# Altium PCB openmv-ae3.PcbDoc (part 2 of 5)
Units mil, origin at the board's own origin, x right, y up, seen from the top; angles counter-clockwise.
Board outline 1400 x 1750 mil, 10 copper layers (Top, L2G, L3V, L4P, L5H, L6V, L7P, L8H, L9G, Bottom Layer), stack 46.28 mil thick; 351 components, 311 nets, 1344 pads, 643 vias.
Unrouted connection lines stored in the file: 8.
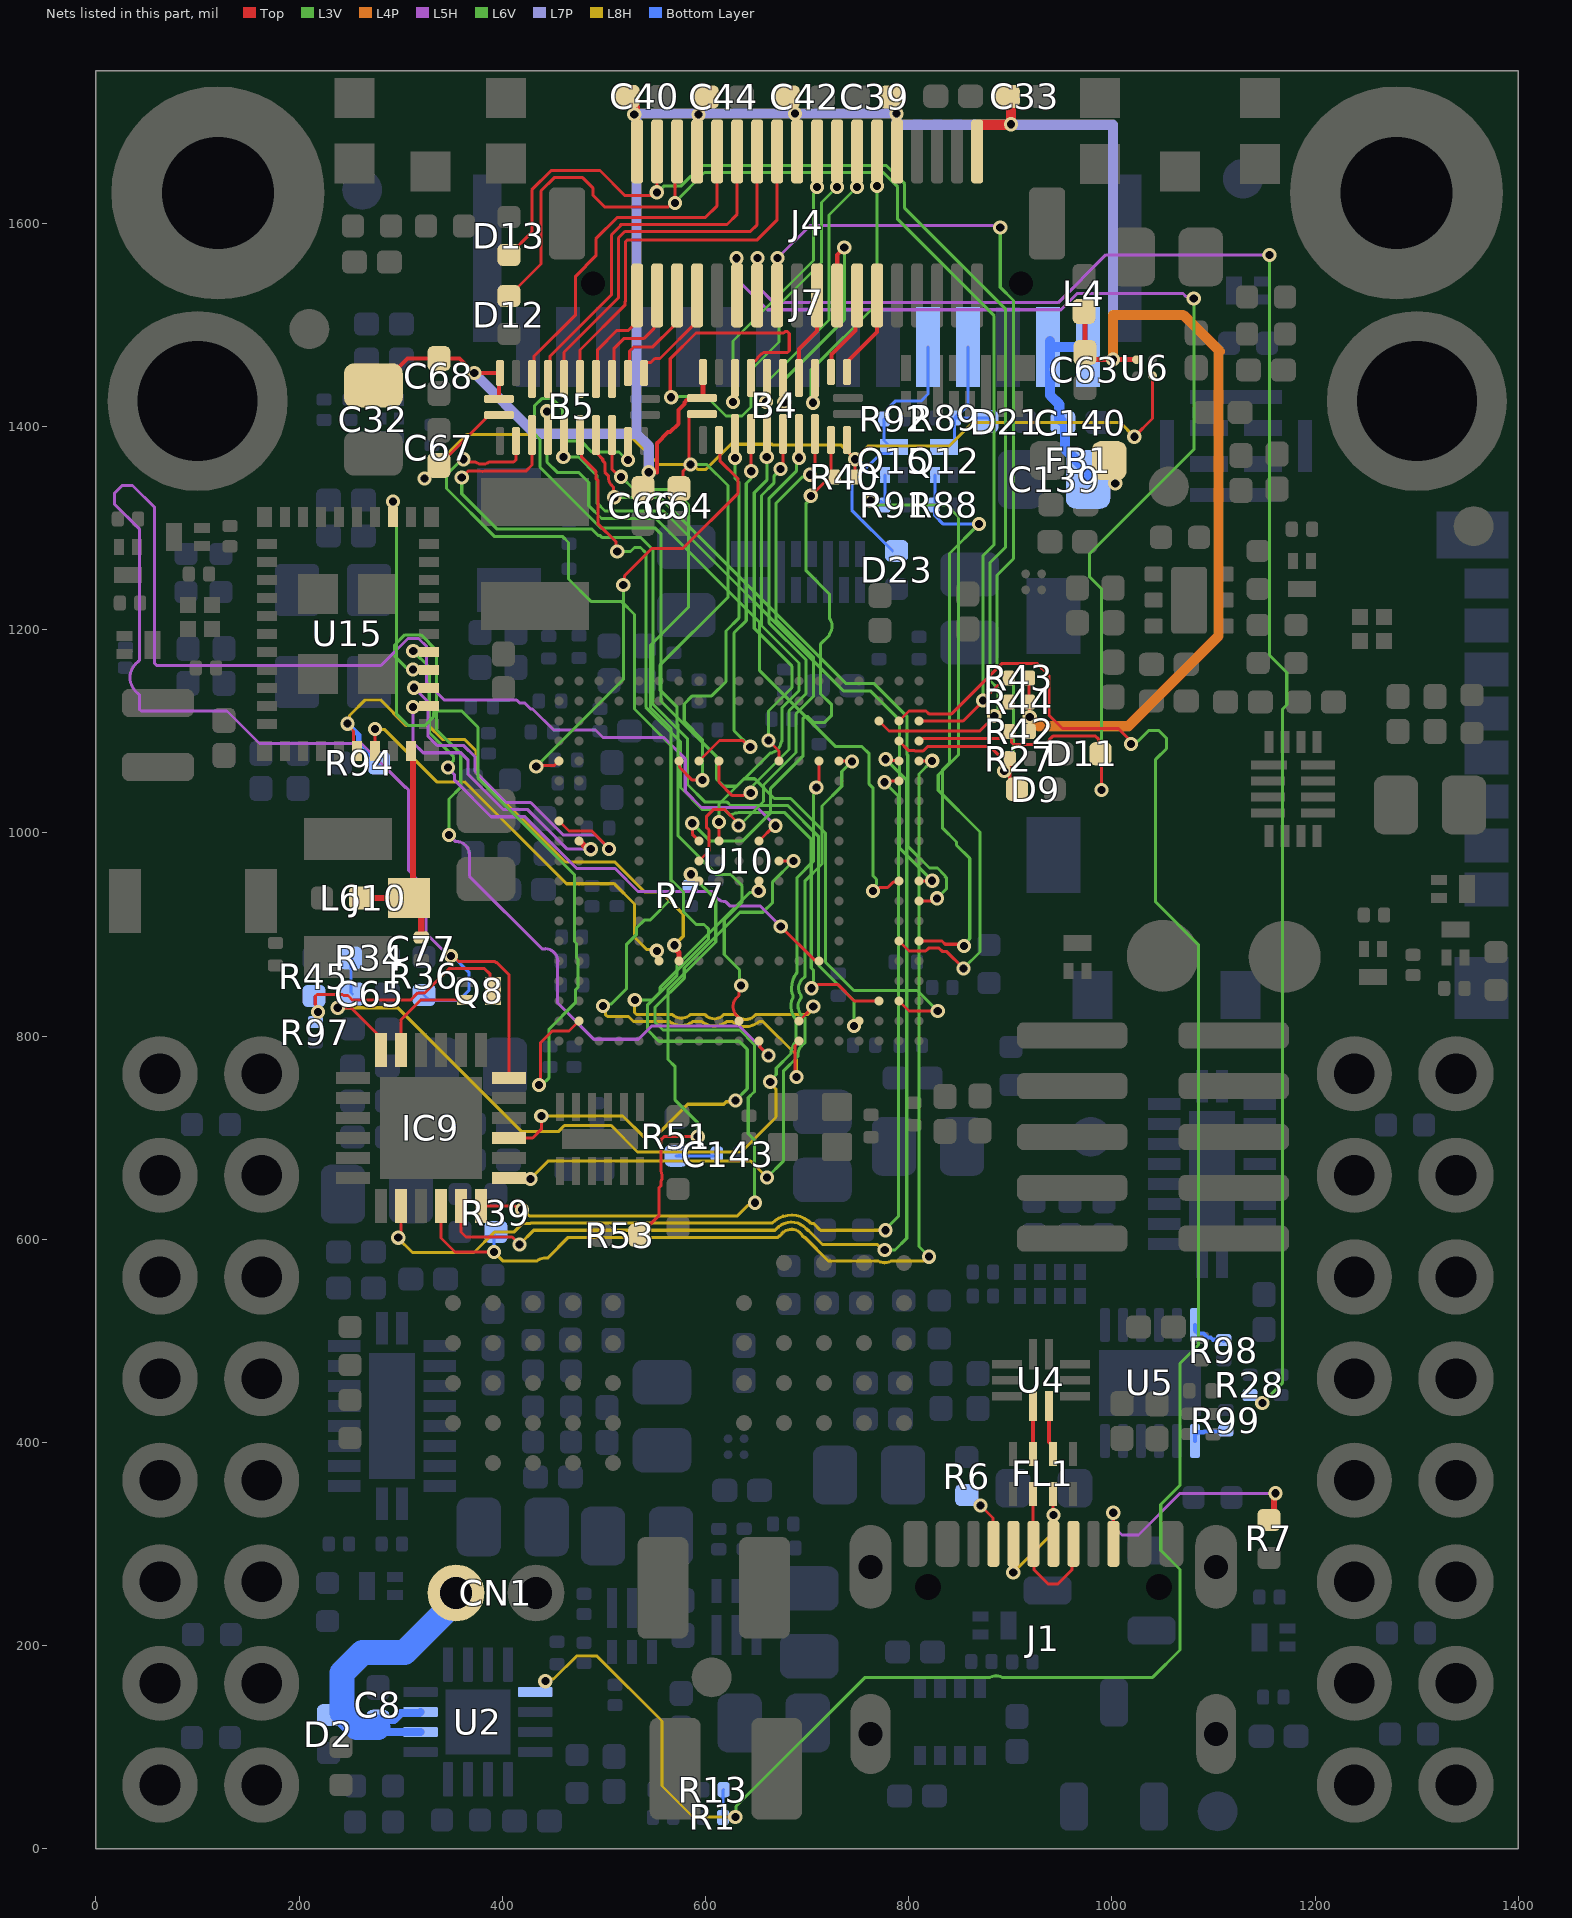
[diagram p10: the nets of this part, all layers, seen from the top]

## Part data
ANT1: "ABRACON - AMCA31-2R450G-S1F-T3 - ANTENNA, CHIP, 2.45GHZ, 50 OHM, 1206   Source:  Datasheet", MANUFACTURER_NAME=ABRACON, DeviceSetName=AMCA31-2R450G-S1F-T3, GateName_1=G$1, HEIGHT=1.4mm, LibraryName=AMCA31-2R450G-S1F-T3, MANUFACTURER_PART_NUMBER=AMCA31-2R450G-S1F-T3, MOUSER_PART_NUMBER=815-CA312R450GS1FT3, MOUSER_PRICE-STOCK=https://www.mouser.co.uk/ProductDetail/ABRACON/AMCA31-2R450G-S1F-T3?qs=AAveGqk956GLuOddQEK40Q%3D%3D, MPN=AMCA31-2R450G-S1F-T3, Part Number=AMCA31-2R450G-S1F-T3, SymbolName_1=AMCA31-2R450G-S1F-T3
B1: "Dual supply translating transceiver; open drain; auto direction sensing", MANUFACTURER_NAME=Nexperia, Mouser Part Number=771-NXS0102GTX, Datasheet Link=https://assets.nexperia.com/documents/data-sheet/NXS0102.pdf, Geometry.Height=0.5mm, MANUFACTURER_PART_NUMBER=NXS0102GTX, Mouser Price/Stock=https://www.mouser.co.uk/ProductDetail/Nexperia/NXS0102GTX?qs=GBLSl2AkirukzzJX55VgJA%3D%3D
B2: library part TPS62826ADMQR, "Switching Voltage Regulators 2.4-V to 5.5-V input, 3-A step-down converter with in 1.5-mm 1.5-mm QFN package", MANUFACTURER_NAME="Texas Instruments", Mouser Part Number=595-TPS62826DMQR, Datasheet Link=https://www.ti.com/lit/ds/symlink/tps62825a.pdf?ts=1608196934558&ref_url=https%253A%252F%252Fwww.ti.com%252Fstore%252Fti%252Fen%252Fp%252Fproduct%252F%253Fp%253DTPS62825ADMQR%2526keyMatch%253DTPS62825ADMQR%2526tisearch%253DSearch-EN-everything%2526usecase, Geometry.Height=1mm, MANUFACTURER_PART_NUMBER=TPS62826DMQR, Mouser Price/Stock=https://www.mouser.co.uk/ProductDetail/Texas-Instruments/TPS62826ADMQR?qs=KUoIvG%2F9Ila3pPUbedlDEw%3D%3D, MPN=TPS62826DMQR, Part Number=TPS62826DMQR
B3: library part TPS62826ADMQR, "Switching Voltage Regulators 2.4-V to 5.5-V input, 1-A step-down converter in 1.5-mm 1.5-mm QFN package", MANUFACTURER_NAME="Texas Instruments", Mouser Part Number=595-TPS62824DMQR, Datasheet Link=https://www.ti.com/lit/ds/symlink/tps62825a.pdf?ts=1608196934558&ref_url=https%253A%252F%252Fwww.ti.com%252Fstore%252Fti%252Fen%252Fp%252Fproduct%252F%253Fp%253DTPS62825ADMQR%2526keyMatch%253DTPS62825ADMQR%2526tisearch%253DSearch-EN-everything%2526usecase, Geometry.Height=1mm, MANUFACTURER_PART_NUMBER=TPS62824DMQR, Mouser Price/Stock=https://www.mouser.co.uk/ProductDetail/Texas-Instruments/TPS62826ADMQR?qs=KUoIvG%2F9Ila3pPUbedlDEw%3D%3D, MPN=TPS62824DMQR, Part Number=TPS62824DMQR
B4 B5: "8-Bit Dual-Supply Bus Transceiver", MANUFACTURER_NAME="Texas Instruments", Mouser Part Number=595-SN74AXC8T245RJWR, Datasheet Link=http://www.ti.com/lit/gpn/sn74axc8t245, Geometry.Height=0.55mm, MANUFACTURER_PART_NUMBER=SN74AXC8T245RJWR, Mouser Price/Stock=https://www.mouser.co.uk/ProductDetail/Texas-Instruments/SN74AXC8T245RJWR?qs=lc2O%252BfHJPVZ0xWM%2FSARpgw%3D%3D, MPN=SN74AXC8T245RJWR, Part Number=SN74AXC8T245RJWR
B6: "STMICROELECTRONICS - MP34DT05TR-A - MEMS MICROPHONE, 3.6V, HCLGA-4", MANUFACTURER_NAME=STMicroelectronics, Mouser Part Number=511-MP34DT05TR-A, Datasheet Link=http://www.st.com/content/ccc/resource/technical/document/datasheet/group3/c7/90/d3/f6/b7/e7/40/c8/DM00415595/files/DM00415595.pdf/jcr:content/translations/en.DM00415595.pdf, Geometry.Height=1mm, MANUFACTURER_PART_NUMBER=MP34DT05TR-A, Mouser Price/Stock=https://www.mouser.co.uk/ProductDetail/STMicroelectronics/MP34DT05TR-A?qs=BZBei1rCqCAMJfcA0UxAnA%3D%3D, MPN=MP34DT05TR-A, Part Number=MP34DT05TR-A
C1 C2 C6 C7 C11 C13 C15 C16 C18 C19 C20 C21 C22 C25 C26 C28 C31 C34 C36 C41 C43 C64 C66 C67 C68 C69 C70 C71 C72 C73 C74 C75 C76 C81 C84 C89: library part C-EUC0201, "CAPACITOR, European symbol", MPN=C0402C104Z4VAC, DeviceSetName=C-EU, GateName_1=G$1, LibraryName=rcl, Part Number=C0402C104Z4VAC, POPULARITY=0, SPICEPREFIX=C, SymbolName_1=C-EU
C3 C4 C5 C8 C9 C10 C12 C23 C24 C27 C30 C33 C35 C38 C39 C40 C42 C44 C49 C50 C52 C53 C54 C57 C58 C59 C60 C61 C62 C63 C65 C79 C80 C82 C83 C86 C87 C88 C90 C93 C97 C108 C112 C115 C133 C137 C140: library part CAP0402-CAP, "CapacitorStandard 0603 ceramic capacitor, and 0.1\" leaded capacitor.", MPN=JMK105BBJ475MV-F, DeviceName=0402-CAP, DeviceSetName=CAP, GateName_1=G$1, LibraryName=sfe, Part Number=JMK105BBJ475MV-F, SymbolName_1=CAP
C14 C29 C32 C37 C45 C46 C51 C85 C92 C95 C96 C98 C107 C139: library part 22UF-0805-6.3V-20%, "22ÂµF ceramic capacitors    A capacitor is a passive two-terminal electrical component used to store electrical energy temporarily in an electric field.", MPN=CL21A226MQQNNNE, DeviceName=-0805-6.3V-20%, DeviceSetName=22UF, GateName_1=G$1, LibraryName=SparkFun-Capacitors, Part Number=CL21A226MQQNNNE, PROD_ID=CAP-08402, SymbolName_1=CAP
C17 C118 C120 C122 C124 C126 C128 C130 C132: library part CAP0402-CAP, "CapacitorStandard 0402 ceramic capacitor, and 0.1\" leaded capacitor.", MPN=GRM155R61E105KA12J, DeviceName=0402-CAP, DeviceSetName=CAP, GateName_1=G$1, LibraryName=sfe, Part Number=GRM155R61E105KA12J, SymbolName_1=CAP
C47 C48: library part CAP0402-CAP, DeviceSetName=CAP, GateName_1=G$1, LibraryName=sfe, SymbolName_1=CAP
C55 C56 C94 C99 C102 C103 C104 C105 C106 C109 C111 C113 C117 C119 C121 C123 C125 C127 C129 C131 C141 C142 C143: library part C-EUC0201, "CAPACITOR, European symbol", MPN=GRM033R60J224ME15D, DeviceName=C0201, DeviceSetName=C-EU, GateName_1=G$1, LibraryName=rcl, Part Number=GRM033R60J224ME15D, POPULARITY=0, SPICEPREFIX=C, SymbolName_1=C-EU
C77: "Chip Capacitor value 1R5   Source:  Datasheet", MANUFACTURER_NAME="Murata Electronics", DeviceSetName=GRM0335C1H1R5BA01D, GateName_1=G$1, HEIGHT=0.33mm, LibraryName=GRM0335C1H1R5BA01D, MANUFACTURER_PART_NUMBER=GRM0335C1H1R5BA01D, MOUSER_PART_NUMBER=81-GRM0335C1H1R5BA1D, MOUSER_PRICE-STOCK=https://www.mouser.co.uk/ProductDetail/Murata-Electronics/GRM0335C1H1R5BA01D?qs=7vGxPDjevFPFqveGwv%252BPUQ%3D%3D, MPN=GRM0335C1H1R5BA01D, Part Number=GRM0335C1H1R5BA01D, SymbolName_1=GRM0335C1H1R5BA01D
C78: library part GRM0335C1H1R5BA01D, "Chip Capacitor value 1R5   Source:  Datasheet", MANUFACTURER_NAME="Murata Electronics", DeviceSetName=GRM0335C1H1R5BA01D, GateName_1=G$1, HEIGHT=0.33mm, LibraryName=GRM0335C1H1R5BA01D, MANUFACTURER_PART_NUMBER=GRM0335C1H1R5BA01D, MOUSER_PART_NUMBER=81-GRM0335C1H1R5BA1D, MOUSER_PRICE-STOCK=https://www.mouser.co.uk/ProductDetail/Murata-Electronics/GRM0335C1H1R5BA01D?qs=7vGxPDjevFPFqveGwv%252BPUQ%3D%3D, MPN=DNP, Part Number=DNP, POPULATE=0, SymbolName_1=GRM0335C1H1R5BA01D
C91: library part 22UF-0805-6.3V-20%, "22ÂµF ceramic capacitors    A capacitor is a passive two-terminal electrical component used to store electrical energy temporarily in an electric field.", DeviceName=-0805-6.3V-20%, DeviceSetName=22UF, GateName_1=G$1, LibraryName=SparkFun-Capacitors, MPN=DNP, Part Number=DNP, PROD_ID=CAP-08402, SymbolName_1=CAP
C100 C101 C134 C135 C136 C138: library part C-EUC0201, "CAPACITOR, European symbol", DeviceName=C0201, GateName_1=G$1, POPULARITY=0, SPICEPREFIX=C, SymbolName_1=C-EU
  C134 C135 C136 C138: DeviceSetName=C-EU, LibraryName=rcl, MPN=DNP, Part Number=DNP
C110: library part CAP0402-CAP, "Capacitor", MPN=VJ0402Y102JXACW1BC, DeviceName=0402-CAP, DeviceSetName=CAP, GateName_1=G$1, LibraryName=sfe, Part Number=VJ0402Y102JXACW1BC, SymbolName_1=CAP
C114 C116: library part CAP_POL, MANUFACTURER P/N=F930J227MBA, MPN=F930J227MBA, Part Number=F930J227MBA
CN1: library part JST_2PIN-THM-RA, "JST 2-Pin Connectors of various flavors SMT-RA (S2B-PH-SM4) 4UConnector #17311  SMT  (B2B-PH-SM4)  THM-RA (S2B-PH)  THM  (B2B-PH)", DeviceName=-THM-RA, DeviceSetName=JST_2PIN, GateName_1=G$1, LibraryName=adafruit-updated, MPN=S2B-PH-K-S(LF)(SN), Part Number=S2B-PH-K-S(LF)(SN), SymbolName_1=PINHD2
D1 D16: "LED RGB SMD, SIZE 1 X 1 mm Check availability", MPN=UHD1110-FKA-CL1A13r3q1BBQFMF3, PACKAGE="0404 Cree Inc.", AVAILABILITY="In Stock", DeviceSetName=UHD1110-FKA-CL1A13R3Q1BBQFMF3, GateName_1=G$1, LibraryName=UHD1110-FKA-CL1A13R3Q1BBQFMF3, MF="Cree Inc.", MP=UHD1110-FKA-CL1A13R3Q1BBQFMF3, Part Number=UHD1110-FKA-CL1A13r3q1BBQFMF3, PRICE=None, PURCHASE-URL=https://pricing.snapeda.com/search/part/UHD1110-FKA-CL1A13R3Q1BBQFMF3/?ref=eda, SymbolName_1=UHD1110-FKA-CL1A13R3Q1BBQFMF3
D2 D4 D5 D6 D7 D8 D9 D10 D11 D12 D13 D14 D15 D18 D19 D20 D21 D22 D23: "ESD Suppressors / TVS Diodes DIODE ESD 5VWM 65W 0402/SOD-923F   Source:  Datasheet", MANUFACTURER_NAME="Comchip Technology", DeviceSetName=CPDQT5V0HE-HF, GateName_1=G$1, HEIGHT=0.42mm, LibraryName=CPDQT5V0HE-HF, MANUFACTURER_PART_NUMBER=CPDQT5V0HE-HF, MOUSER_PART_NUMBER=MOUSER_PART_NUMBER, MOUSER_PRICE-STOCK=MOUSER_PRICE-STOCK, MPN=CPDQT5V0HE-HF, Part Number=CPDQT5V0HE-HF, SymbolName_1=CPDQT5V0HE-HF
D3: MPN=BAT54CM,315, Part Number=BAT54CLT3G
D17: Manufacturer=Nexperia, MPN=PMEG2005CT,215, Part Number=PMEG2005CT,215
FB1 L1: library part INDUCTOR, "InductorsBasic Inductor/Choke - 0603 and 1206. Footprints are not proven and vary greatly between part numbers.", GateName_1=G$1, MPN=MFBM1V1608-101-R, Part Number=MFBM1V1608-101-R
FD1 FD2 FD3 FD4 FD5 FD6 FD7 FD8: "Fiducial Alignment Points    Point-of-reference for pick-and-place machines and other optical instruments.", DeviceName=1X2, DeviceSetName=FIDUCIAL, GateName_1=G$1, LibraryName=SparkFun-Aesthetics, SymbolName_1=FIDUCIAL
FL1: "Common Mode Filter & ESD Prot. USB uQFN8 STMicroelectronics ECMF02 Series, Signal Filter uQFN SMD, Flat Contact Termination, 2.6 x 1.3 x 0.6mm   Source:  Datasheet", MANUFACTURER_NAME=STMicroelectronics, DeviceSetName=ECMF02-4CMX8, GateName_1=G$1, HEIGHT=mm, LibraryName=ECMF02-4CMX8, MANUFACTURER_PART_NUMBER=ECMF02-4CMX8, MOUSER_PART_NUMBER=511-ECMF02-4CMX8, MOUSER_PRICE-STOCK=https://www.mouser.co.uk/ProductDetail/STMicroelectronics/ECMF02-4CMX8?qs=xYt8xtm2zhmK7GoDlDZR3A%3D%3D, MPN=ECMF02-4CMX8, Part Number=ECMF02-4CMX8, SymbolName_1=ECMF02-4CMX8
FL5: "EMI Filter Circuits 6lin lw cpcitnc EMI 45pF -35db @ 900MHz   Source:  Datasheet", MANUFACTURER_NAME=STMicroelectronics, DeviceSetName=EMIF06-1005M12, GateName_1=G$1, HEIGHT=0.65mm, LibraryName=EMIF06-1005M12, MANUFACTURER_PART_NUMBER=EMIF06-1005M12, MOUSER_PART_NUMBER=511-EMIF06-1005M12, MOUSER_PRICE-STOCK=https://www.mouser.co.uk/ProductDetail/STMicroelectronics/EMIF06-1005M12?qs=VJaATVMq%252BXo0u09ZqtQg3A%3D%3D, MPN=EMIF06-1005M12, Part Number=EMIF06-1005M12, SymbolName_1=EMIF06-1005M12
IC1: "1.6-V to 5.5-V, 40-m, 2.5-A, low-IQ, dual ideal diode   Source:  Datasheet", MANUFACTURER_NAME="Texas Instruments", DeviceSetName=LM66200DRLR, GateName_1=G$1, HEIGHT=0.6mm, LibraryName=LM66200DRLR, MANUFACTURER_PART_NUMBER=LM66200DRLR, MOUSER_PART_NUMBER=595-LM66200DRLR, MOUSER_PRICE-STOCK=https://www.mouser.co.uk/ProductDetail/Texas-Instruments/LM66200DRLR?qs=Rp5uXu7WBW90hnpZAkIOdQ%3D%3D, MPN=LM66200DRLR, Part Number=LM66200DRLR, SymbolName_1=LM66200DRLR
IC7: "Accelerometers Monolithic and Wafer Level Packaged Three-Axis Accelerometer   Source:  Datasheet", MANUFACTURER_NAME=MEMSIC, DeviceSetName=MXC4005XC, GateName_1=G$1, HEIGHT=0.885mm, LibraryName=MXC4005XC, MANUFACTURER_PART_NUMBER=MXC4005XC, MOUSER_PART_NUMBER=438-MXC4005XC, MOUSER_PRICE-STOCK=https://www.mouser.co.uk/ProductDetail/MEMSIC/MXC4005XC?qs=RcG8xmE7yp3iyYgWLmAtUw%3D%3D, MPN=MXC4005XC, Part Number=MXC4005XC, SymbolName_1=MXC4005XC
IC9: "Ethernet ICs 10/100 BASE-TX Physical Layer Transceiver   Source:  Datasheet", MANUFACTURER_NAME=Microchip, DeviceSetName=KSZ8081RNDCA-TR, GateName_1=G$1, HEIGHT=0.9mm, LibraryName=KSZ8081RNDCA-TR, MANUFACTURER_PART_NUMBER=KSZ8081RNDCA-TR, MOUSER_PART_NUMBER=998-KSZ8081RNDCATR, MOUSER_PRICE-STOCK=https://www.mouser.co.uk/ProductDetail/Microchip-Technology-Atmel/KSZ8081RNDCA-TR?qs=U6T8BxXiZAXLXXdn%2FieQKw%3D%3D, MPN=KSZ8081RNDCA-TR, Part Number=KSZ8081RNDCA-TR, SymbolName_1=KSZ8081RNDCA-TR
J1: "USB-C (USB TYPE-C) USB 2.0 Receptacle Connector 24 (16+8 Dummy) Position Surface Mount, Right Angle; Through Hole  Check availability", PACKAGE=None, AVAILABILITY="In Stock", DeviceSetName=USB4105-GF-A, GateName_1=G$1, LibraryName=USB4105-GF-A, MF=GCT, MP=USB4105-GF-A, MPN=USB4105-GF-A, Part Number=USB4105-GF-A, PRICE=None, PURCHASE-URL=https://pricing.snapeda.com/search/part/USB4105-GF-A/?ref=eda, SymbolName_1=USB4105-GF-A
J2 J3 J6 J9: library part "CONN_08\"", "Multi connection point. Often used as Generic Header-pin footprint for 0.1 inch spaced/style header connections    On any of the 0.1 inch spaced packages, you can populate with these:  Break Away Headers - Straight (PRT-00116)   Break Away Male Headers - Right Angle (PRT-00553)   Female Headers (PRT-00115)   Break Away Headers - Machine Pin (PRT-00117)   Break Away Female Headers - Swiss Machine Pin (PRT-00743)   Arduino Stackable Header - 8 Pin (PRT-09279)        For SCREWTERMINALS and SPRING TERMINALS visit here:  Screw Terimnals on SparkFun.com (5mm/3.5mm/2.54mm spacing)       This device is also useful as a general connection point to wire up your design to another part of your project. Our various solder wires solder well into these plated through hole pads.  Hook-Up Wire - Assortment (Stranded, 22 AWG) (PRT-11375)   Hook-Up Wire - Assortment (Solid Core, 22 AWG) (PRT-11367)   View the entire wire category on our website here          Special notes:     Molex polarized connector foot print use with SKU : PRT-08231 with associated crimp pins and housings. 1MM SMD Version SKU: PRT-10208    NOTES ON THE VARIANTS LOCK and LOCK_LONGPADS... This footprint was designed to help hold the alignment of a through-hole component (i.e.  6-pin header) while soldering it into place. You may notice that each hole has been shifted either up or down by 0.005 of an inch from it's more standard position (which is a perfectly straight line).  This slight alteration caused the pins (the squares in the middle) to touch the edges of the holes.  Because they are alternating, it causes a \"brace\" to hold the component in place.  0.005 has proven to be the perfect amount of \"off-center\" position when using our standard breakaway headers. Although looks a little odd when you look at the bare footprint, once you have a header in there, the alteration is very hard to notice.  Also,if you push a header all the way into place, it is covered up entirely on the bottom side.", DeviceName="\"", DeviceSetName=CONN_08, GateName_1=G$1, LibraryName=SparkFun-Connectors, MPN=DNP, Part Number=DNP, POPULATE=0, PROD_ID=CONN-08438, SymbolName_1=CONN_08
J4: library part DF12-36-DS, "Header", DeviceSetName=DF12-36-DS, GateName_1=G$1, LibraryName=DF12-36-DS, MPN=DF12NB(3.0)-36DS-0.5V(51), Part Number=DF12NB(3.0)-36DS-0.5V(51), SymbolName_1=DF12-36
J5: "uSD Slot", MPN=104031-0811, DeviceSetName=USD-1040310811, GateName_1=G$1, LibraryName=1040310811, Part Number=104031-0811, SymbolName_1=USD
J7 U11 U12: "No Description Available"
  J7: Copyright="Copyright (C) 2023 Ultra Librarian. All rights reserved.", MF="JAE Electronics", MPN=SFW15R-2STE1LF, Part Number=SFW15R-2STE1LF
  U11 U12: MF=Nexperia, MPN=NXS0108BQX, Part Number=NXS0108BQX
J8: library part 3221-10-0300-00, "Check availability", PACKAGE=None, AVAILABILITY="In Stock", DeviceSetName=3221-10-0300-00, GateName_1=G$1, LibraryName=3221-10-0300-00, MF="CNC Tech", MP=FTSH-105-01-F-DV-K-P-TR, MPN=FTSH-105-01-F-DV-K-P-TR, Part Number=FTSH-105-01-F-DV-K-P-TR, PRICE=None, PURCHASE-URL=https://pricing.snapeda.com/search/part/3221-10-0300-00/?ref=eda, SymbolName_1=3221-10-0300-00
J10: library part 2337019-1, "RF Connectors / Coaxial Connectors MicroCoax receptacle UMCC Gen 1   Source:  Datasheet", MANUFACTURER_NAME="TE Connectivity", DeviceSetName=2337019-1, GateName_1=G$1, HEIGHT=1.4mm, LibraryName=2337019-1, MANUFACTURER_PART_NUMBER=2337019-1, MOUSER_PART_NUMBER=571-2337019-1, MOUSER_PRICE-STOCK=https://www.mouser.co.uk/ProductDetail/TE-Connectivity/2337019-1?qs=l4Gc20tDgJIuN7nS9rJkJw%3D%3D, MPN=DNP, Part Number=DNP, POPULATE=0, SymbolName_1=2337019-1
L2 L3: library part CMP-00002-1, "Power Inductor : LxW size(mm) 2012 Thickness1 Inductance (uH) 20%: 0.47", Case Code (Imperial)=0805, Case Code (Metric)=2012, Current Rating=3.6A, DC Resistance (DCR)=31mR, Max Operating Temperature=125°C, Min Operating Temperature=-40°C, Saturation Current=5.4A, Test Frequency=1MHz, Tolerance=20%, Case/Package=0805, Core Material=Metal,Composite, Mounting Technology="Surface Mount", MPN=CIGT201210UHR47MNE, Packaging="Cut Tape", Part Number=CIGT201210UHR47MNE, RoHS Compliant=Yes, Series=CIGT, Shielding=Unshielded
L4 L8 L9: library part INDUCTOR0402, "InductorsBasic Inductor/Choke - 0603 and 1206. Footprints are not proven and vary greatly between part numbers.", MPN=MFBM1V1005-101-R, DeviceName=0402, DeviceSetName=INDUCTOR, GateName_1=G$1, LibraryName=sfe, Part Number=MFBM1V1005-101-R, SymbolName_1=INDUCTOR
L5: "Ind,3.2x2.5x1mm,2.2uH?20%,4A,shd", MANUFACTURER_NAME=Bourns, Mouser Part Number=652-SRP3212-2R2M, Datasheet Link=https://www.bourns.com/pdfs/CVH.pdf, Geometry.Height=1mm, MANUFACTURER_PART_NUMBER=SRP3212-2R2M, Mouser Price/Stock=https://www.mouser.co.uk/ProductDetail/Bourns/SRP3212-2R2M?qs=t7xnP681wgW9NT%2FfJNx1CA%3D%3D, MPN=SRP3212-2R2M, Part Number=SRP3212-2R2M
L6: library part INDUCTOR-0402-3.9NH, "Inductors    Resist changes in electrical current. Basically a coil of wire.   SparkFun Products:  SparkFun Load Cell Amplifier - HX711  IOIO-OTG - V2.2", MPN=L-07C3N9SV6T, DeviceName=-0402-3.9NH, DeviceSetName=INDUCTOR, GateName_1=G$1, LibraryName=SparkFun-Coils, Part Number=L-07C3N9SV6T, PROD_ID=NDUC-13457, SymbolName_1=INDUCTOR
L7: "INDUCTOR, METAL CORE Check availability", PACKAGE="2016 Taiyo Yuden", AVAILABILITY="In Stock", DeviceSetName=MAKK2016T2R2M, GateName_1=G$1, LibraryName=MAKK2016T2R2M, MF="Taiyo Yuden", MP=MAKK2016T2R2M, MPN=MAKK2016T2R2M, Part Number=MAKK2016T2R2M, PRICE=None, PURCHASE-URL=https://pricing.snapeda.com/search/part/MAKK2016T2R2M/?ref=eda, SymbolName_1=MAKK2016T2R2M
M1 M2: "M2 3mm Standoff", DeviceSetName=9774030243R, GateName_1=G$1, LibraryName=9774030243R, MPN=9774030243R, Part Number=9774030243R, SymbolName_1=9774030243R
P1 P2: library part OMV
P3: library part ROHS
P4: library part WEEE
Q6: MPN=SSM3K56ACT, MF=Toshiba
R1 R2 R3 R4 R8 R13 R14 R15 R16 R17 R19 R20 R21 R22 R27 R28 R35 R37 R40 R42 R43 R44 R49 R50 R54 R55 R57 R58 R60 R61 R67 R69 R70 R71 R74 R75 R76 R77 R78 R83 R84 R87 R88 R89 R91 R92 R95 R98 R99 R100: library part RESISTOR0402-RES, GateName_1=G$1, LibraryName=sfe, SymbolName_1=RESISTOR
  R1 R8 R13 R14 R15 R16 R17 R19 R20 R21 R22 R27 R28 R35 R37 R40 R42 R43 R44 R49 R50 R54 R55 R57 R58 R60 R61 R67 R69 R70 R71 R74 R75 R76 R77 R78 R83 R84 R87 R88 R89 R91 R92 R95 R98 R99: DeviceSetName=RESISTOR
  R2 R3 R100: DeviceName=0402-RES, DeviceSetName=RESISTOR
R5 R48 R52 R53 R63 R64 R65 R79 R81 R85 R86 R90 R96 R97: library part RESISTOR0402-RES, "ResistorBasic schematic elements and footprints for 0603, 1206, and PTH resistors.", DeviceSetName=RESISTOR, GateName_1=G$1, LibraryName=sfe, SymbolName_1=RESISTOR
  R48 R52 R53 R79 R81: DeviceName=0402-RES
R6 R7: library part RESISTOR0402-RES, "ResistorBasic schematic elements and footprints for 0603, 1206, and PTH resistors.", MPN=RC0402JR-075K1L, DeviceName=0402-RES, DeviceSetName=RESISTOR, GateName_1=G$1, LibraryName=sfe, Part Number=RC0402JR-075K1L, SymbolName_1=RESISTOR
R9: library part RESISTOR0402-RES, "ResistorBasic schematic elements and footprints for 0603, 1206, and PTH resistors.", MPN=AC0402FR-1310KL, DeviceName=0402-RES, DeviceSetName=RESISTOR, GateName_1=G$1, LibraryName=sfe, Part Number=AC0402FR-1310KL, SymbolName_1=RESISTOR
R10: library part RESISTOR0402-RES, "ResistorBasic schematic elements and footprints for 0603, 1206, and PTH resistors.", MPN=RC0402JR-071K1, DeviceName=0402-RES, DeviceSetName=RESISTOR, GateName_1=G$1, LibraryName=sfe, Part Number=RC0402JR-071K1, SymbolName_1=RESISTOR
R11: library part RESISTOR0402-RES, "ResistorBasic schematic elements and footprints for 0603, 1206, and PTH resistors.", MPN=WR04X4642FTL, DeviceName=0402-RES, DeviceSetName=RESISTOR, GateName_1=G$1, LibraryName=sfe, Part Number=WR04X4642FTL, SymbolName_1=RESISTOR
R12: library part RESISTOR0402-RES, "ResistorBasic schematic elements and footprints for 0603, 1206, and PTH resistors.", MPN=CR0402-FX-8201GLF, DeviceName=0402-RES, DeviceSetName=RESISTOR, GateName_1=G$1, LibraryName=sfe, Part Number=CR0402-FX-8201GLF, SymbolName_1=RESISTOR
R18 R23 R24 R25 R29 R30 R31 R32 R34 R56 R59 R80 R82: library part RESISTOR0402-RES, "ResistorBasic schematic elements and footprints for 0603, 1206, and PTH resistors.", MPN=AC0402FR-07100KL, DeviceName=0402-RES, DeviceSetName=RESISTOR, GateName_1=G$1, LibraryName=sfe, Part Number=AC0402FR-07100KL, SymbolName_1=RESISTOR
R26 R33 R51: library part RESISTOR0402-RES, "ResistorBasic schematic elements and footprints for 0603, 1206, and PTH resistors.", MPN=RC0402JR-070R, DeviceName=0402-RES, DeviceSetName=RESISTOR, GateName_1=G$1, LibraryName=sfe, Part Number=RC0402JR-070R, SymbolName_1=RESISTOR
R36 R39: library part RESISTOR0402-RES, "ResistorBasic schematic elements and footprints for 0603, 1206, and PTH resistors.", MPN=CRCW04021K00FKEDC, DeviceName=0402-RES, DeviceSetName=RESISTOR, GateName_1=G$1, LibraryName=sfe, Part Number=CRCW04021K00FKEDC, SymbolName_1=RESISTOR
R38: library part RESISTOR0402-RES, "ResistorBasic schematic elements and footprints for 0603, 1206, and PTH resistors.", MPN=CR0402-FX-6491GLF, DeviceName=0402-RES, DeviceSetName=RESISTOR, GateName_1=G$1, LibraryName=sfe, Part Number=CR0402-FX-6491GLF, SymbolName_1=RESISTOR
R41: library part RESISTOR0402-RES, "Resistor", MPN=CRCW04021M00FKEDC, DeviceName=0402-RES, DeviceSetName=RESISTOR, GateName_1=G$1, LibraryName=sfe, Part Number=CRCW04021M00FKEDC, SymbolName_1=RESISTOR
R45: library part RESISTOR0402-RES, "ResistorBasic schematic elements and footprints for 0603, 1206, and PTH resistors.", MPN=CRGCQ0402F220R, DeviceName=0402-RES, DeviceSetName=RESISTOR, GateName_1=G$1, LibraryName=sfe, Part Number=CRGCQ0402F220R, SymbolName_1=RESISTOR
R46 R47: library part RESISTOR0402-RES, "ResistorBasic schematic elements and footprints for 0603, 1206, and PTH resistors.", MPN=AC0402JR-07200RL, DeviceName=0402-RES, DeviceSetName=RESISTOR, GateName_1=G$1, LibraryName=sfe, Part Number=AC0402JR-07200RL, SymbolName_1=RESISTOR
R62: library part RESISTOR0402-RES, "ResistorBasic schematic elements and footprints for 0603, 1206, and PTH resistors.", MPN=RT0402FRE074K7L, DeviceName=0402-RES, DeviceSetName=RESISTOR, GateName_1=G$1, LibraryName=sfe, Part Number=RT0402FRE074K7L, SymbolName_1=RESISTOR
R66 R68 R72 R73 R93 R94: library part RESISTOR0402-RES, "ResistorBasic schematic elements and footprints for 0603, 1206, and PTH resistors.", MPN=AC0402FR-1310K, DeviceName=0402-RES, DeviceSetName=RESISTOR, GateName_1=G$1, LibraryName=sfe, Part Number=AC0402FR-1310K, SymbolName_1=RESISTOR
U1: library part IS66WVO32M8DALL-200BLI-TR, MF=ISSI, MPN=APS25608N-OBR-BD, Part Number=APS25608N-OBR-BD
U2: "Standalone 1-cell 1.5-A linear charger, Power Path, 4.2-V VBAT and 5.5-V VOUT 16-VQFN -40 to 85  Check availability", PACKAGE="VQFN-16 Texas Instruments", AVAILABILITY="In Stock", DeviceSetName=BQ24075RGTR, GateName_1=G$1, LibraryName=BQ24075RGTR, MF="Texas Instruments", MP=BQ24075RGTR, MPN=BQ24075RGTR, Part Number=BQ24075RGTR, PRICE=None, PURCHASE-URL=https://pricing.snapeda.com/search/part/BQ24075RGTR/?ref=eda, SymbolName_1=BQ24075RGTR
U3: library part AP7335-SNG-7, MF="Diodes Inc", MPN=AP7335-SNG-7
U4: library part TC7USB42MU,LF(S2E, MF=Toshiba, MPN=TC7USB42MU,LF(S2E
U5: library part FT234XD-T, "USB Bridge, USB to UART USB 2.0 UART Interface 12-DFN _3x3_", MF=FTDI,, MPN=FT234XD-T, Part Number=FT234XD-T
U6 X1 X2: library part AP22916CCA4-7, MF="Diodes Inc", MPN=AP22916CCA4-7
U7: library part IS25WX256-JHLE, "IC, Flash,32MB x 8, Octal SPI, Ind Temp, 1.8V,24-BGA", MF=ISSI, MPN=IS25WP256D-RHLE, Part Number=IS25WP256D-RHLE
U9 U14: library part CMP-008-000000-1, "6 Line Common Mode Choke Surface Mount 100mA DCR 6Ohm (Typ)", PACKAGE="XDFN-16 ON Semiconductor", Component Type=Standard, Design Item ID=EMI8143MUTAG, Digi-Key_Part_Number=EMI8143MUTAGOSCT-ND, MF="ON Semiconductor", MP=EMI8143MUTAG, MPN=EMI8143MUTAG, Part Number=EMI8143MUTAG, Pin Count=14, PURCHASE-URL=https://pricing.snapeda.com/search/part/EMI8143MUTAG/?ref=eda, SnapEDA_Link=https://www.snapeda.com/parts/EMI8143MUTAG/ON%20Semiconductor/view-part/182093/?ref=snap, Source=EMI8143MUTAG.SchLib
U10: library part E7_Bx_BGA_194_noGNSS, "IC,Alif E7 MCU, Rev B silicon,BGA194", Manufacturer 1="Alif Semi", Manufacturer Part Number 1=AE302F80F55D5LE, MPN=AE302F80F55D5LE, Part Number=AE302F80F55D5LE
U15: library part LBEE5KL1DX-TEMP, "Broadcom Chipset for 802.11b/g/n + Bluetooth 4.1/EDR", PACKAGE=None, AVAILABILITY=Unavailable, DeviceSetName=LBEE5KL1DX-TEMP, GateName_1=G$1, LibraryName=LBEE5KL1DX-TEMP, MF="Murata Electronics", MP=LBEE5KL1DX-TEMP, MPN=LBEE5KL1DX-883, Part Number=LBEE5KL1DX-883, PRICE=None, SymbolName_1=LBEE5KL1DX-TEMP